# KiCad board Boston-keyboard-V06-1J.kicad_pcb
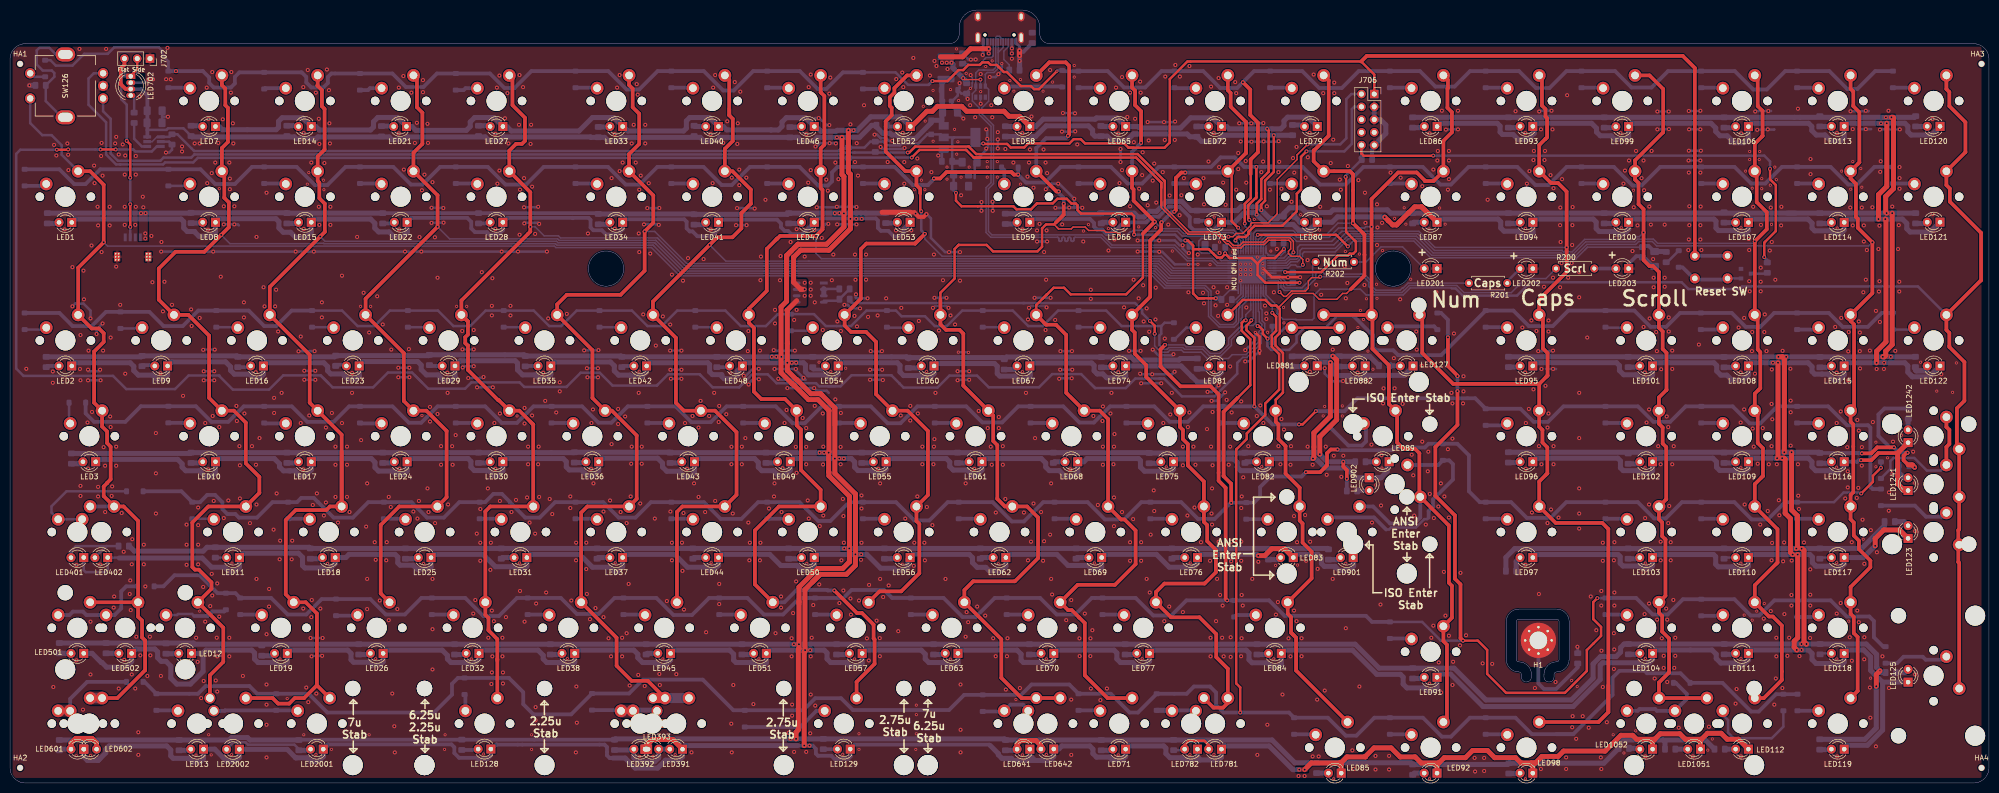
[diagram p0: board, top side]
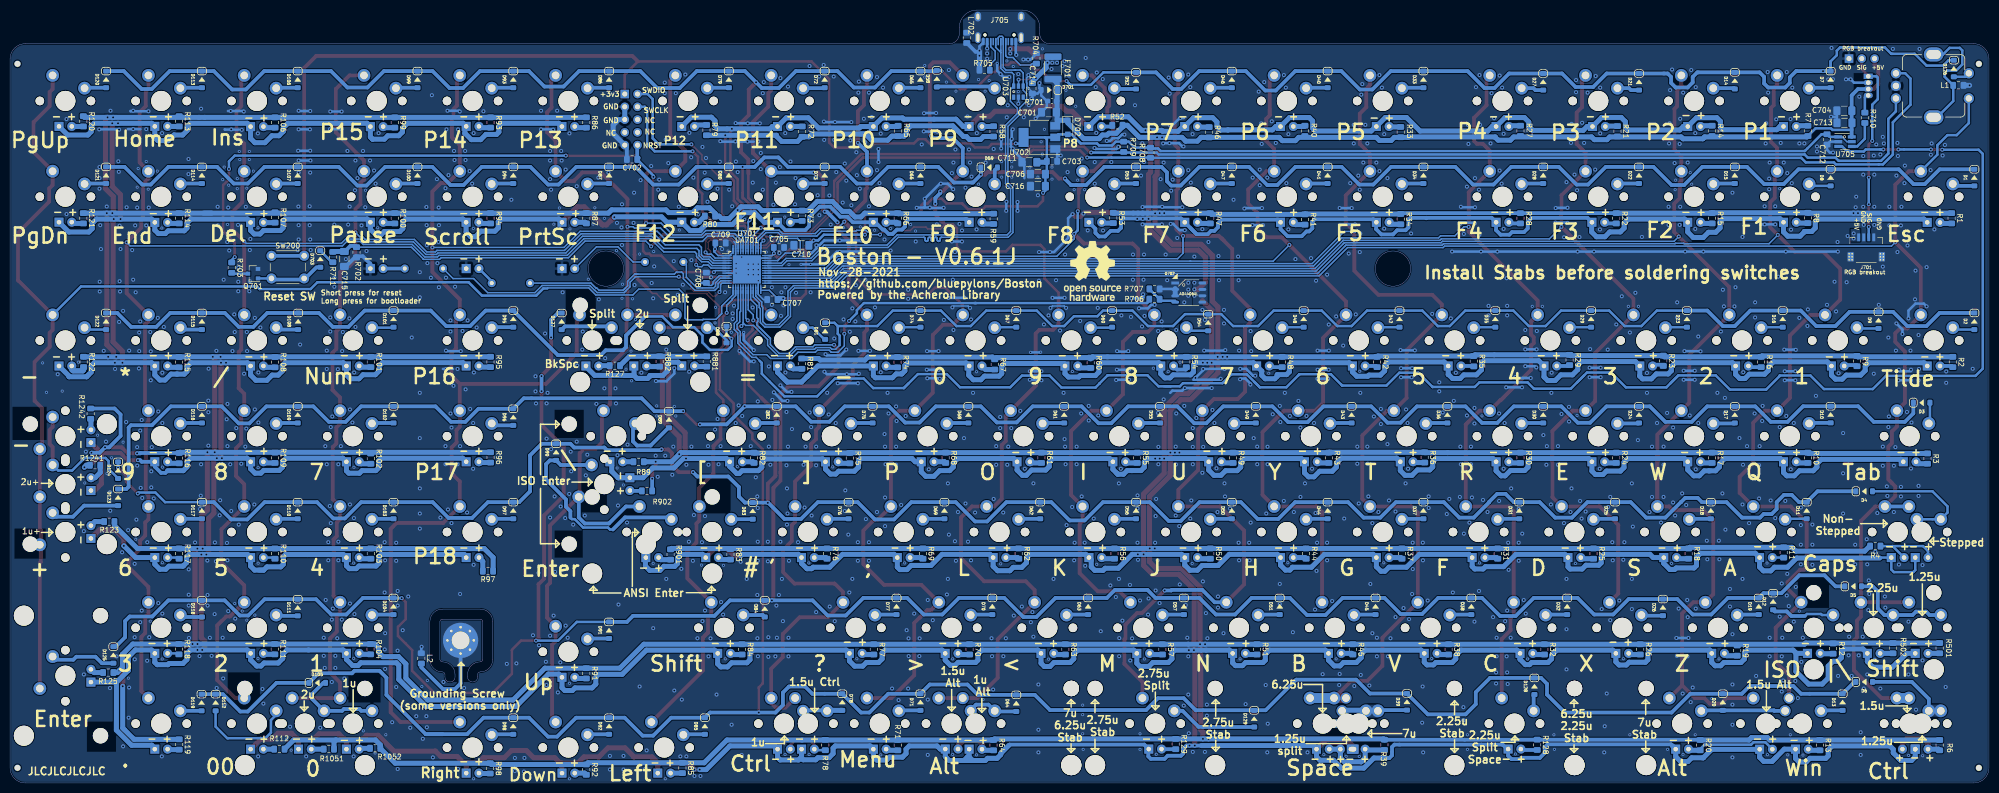
[diagram p1: board, bottom side, seen from below]

Outline 393.48 x 153.7 mm; copper layers: Top, Bottom. Coordinates in mm from the lower left corner of the outline.
Outline path: circle c118.5,102.29 r3.5 ; circle c275,102.29 r3.5 ; 0,144 0,3 arc(0.88,0.88) 3,0 390.48,0 arc(392.6,0.88) 393.48,3 393.48,144 arc(392.6,146.12) 390.48,147 206.74,147 arc(205.32,147.59) 204.74,149 204.74,150.2 arc(203.71,152.67) 201.24,153.7 192.24,153.7 arc(189.76,152.67) 188.74,150.2 188.74,149 arc(188.15,147.59) 186.74,147 3,147 arc(0.88,146.12) 0,144 ; 297.5,32.07 297.5,24.57 arc(298.23,22.81) 300,22.07 arc(300.35,21.93) 300.5,21.57 300.5,21.07 arc(301.5,20.07) 302.5,21.07 302.5,21.57 arc(301.77,23.34) 300,24.07 arc(299.65,24.22) 299.5,24.57 299.5,32.07 arc(299.65,32.43) 300,32.57 307.5,32.57 arc(307.85,32.43) 308,32.07 308,24.57 arc(307.85,24.22) 307.5,24.07 arc(305.73,23.34) 305,21.57 305,21.07 arc(306,20.07) 307,21.07 307,21.57 arc(307.15,21.93) 307.5,22.07 arc(309.27,22.81) 310,24.57 310,32.07 arc(309.27,33.84) 307.5,34.57 300,34.57 arc(298.23,33.84) 297.5,32.07
Stack: Top 0.035mm / dielectric 1.51mm FR4 er 4.5 / Bottom 0.035mm

## Placement (name value [footprint] x y rotation side)
C701  10uF  [C_1206_3216Metric_Pad1.42x1.75mm_HandSolder]  186.9 133.38 0 bottom
C702  100nF  [C_0805_2012Metric_Pad1.15x1.40mm_HandSolder]  269.8 124 0 bottom
C703  100nF  [C_0805_2012Metric_Pad1.15x1.40mm_HandSolder]  186.3 123.62 180 bottom
C704  10uF  [C_1206_3216Metric_Pad1.42x1.75mm_HandSolder]  28.75 133.68 0 bottom
C705  100nF  [C_0805_2012Metric_Pad1.15x1.40mm_HandSolder]  240.6 106.5 180 bottom
C706  10uF  [C_1206_3216Metric_Pad1.42x1.75mm_HandSolder]  189.1 121.08 0 bottom
C707  100nF  [C_0805_2012Metric_Pad1.15x1.40mm_HandSolder]  241.91 96.12 0 bottom
C708  100nF  [C_0805_2012Metric_Pad1.15x1.40mm_HandSolder]  255.03 100.47 90 bottom
C709  100nF  [C_0805_2012Metric_Pad1.15x1.40mm_HandSolder]  252.2 107.38 180 bottom
C710  10uF  [C_1206_3216Metric_Pad1.42x1.75mm_HandSolder]  236.13 106.92 0 bottom
C711  10uF  [C_1206_3216Metric_Pad1.42x1.75mm_HandSolder]  190.8 123.44 0 bottom
C712  100nF  [C_0805_2012Metric_Pad1.15x1.40mm_HandSolder]  32.2 127.97 270 bottom
C713  10uF  [C_1206_3216Metric_Pad1.42x1.75mm_HandSolder]  28.72 131.28 0 bottom
C714  4.7nF  [C_0805_2012Metric_Pad1.15x1.40mm_HandSolder]  190.2 138.12 270 bottom
C715  10uF  [C_1206_3216Metric_Pad1.42x1.75mm_HandSolder]  327 104.2 270 bottom
C716  10uF  [C_1206_3216Metric_Pad1.42x1.75mm_HandSolder]  189.1 118.67 0 bottom
D1  1N4148  [D_SOD-123]  2.9 120.38 270 bottom
D2  1N4148  [D_SOD-123]  2.9 91.81 270 bottom
D3  1N4148  [D_SOD-123]  13.38 75.62 180 bottom
D4  1N4148  [D_SOD-123]  24.81 58 180 bottom
D5  1N4148  [D_SOD-123]  27 39.1 180 bottom
D6  1N4148  [D_SOD-123]  24.8 20.1 180 bottom
D7  1N4148  [D_SOD-123]  31.48 139.91 270 bottom
D8  1N4148  [D_SOD-123]  31.48 120.38 270 bottom
D9  1N4148  [D_SOD-123]  21.95 92.03 270 bottom
D10  1N4148  [D_SOD-123]  31.48 73.26 270 bottom
D11  1N4148  [D_SOD-123]  36.24 54.19 270 bottom
D12  1N4148  [D_SOD-123]  42.91 36.09 270 bottom
D13  1N4148  [D_SOD-123]  29.1 16.09 270 bottom
D14  1N4148  [D_SOD-123]  50.53 139.66 270 bottom
D15  1N4148  [D_SOD-123]  50.53 120.86 270 bottom
D16  1N4148  [D_SOD-123]  41 92.29 270 bottom
D17  1N4148  [D_SOD-123]  50.53 73.24 270 bottom
D18  1N4148  [D_SOD-123]  55.29 54.19 270 bottom
D19  1N4148  [D_SOD-123]  45.77 35.14 270 bottom
D20  1N4148  [D_SOD-123]  52.91 16.09 270 bottom
D21  1N4148  [D_SOD-123]  69.58 139.44 270 bottom
D22  1N4148  [D_SOD-123]  69.58 120.86 270 bottom
D23  1N4148  [D_SOD-123]  60.05 92.29 270 bottom
D24  1N4148  [D_SOD-123]  69.58 73.24 270 bottom
D25  1N4148  [D_SOD-123]  74.34 54.19 270 bottom
D26  1N4148  [D_SOD-123]  64.82 34.91 270 bottom
D27  1N4148  [D_SOD-123]  88.63 139.44 270 bottom
D28  1N4148  [D_SOD-123]  88.63 120.86 270 bottom
D29  1N4148  [D_SOD-123]  79.1 92.29 270 bottom
D30  1N4148  [D_SOD-123]  88.63 73.24 270 bottom
D31  1N4148  [D_SOD-123]  93.39 54.19 270 bottom
D32  1N4148  [D_SOD-123]  83.87 35.14 270 bottom
D33  1N4148  [D_SOD-123]  112.44 139.91 270 bottom
D34  1N4148  [D_SOD-123]  112.44 120.86 270 bottom
D35  1N4148  [D_SOD-123]  98.15 92.29 270 bottom
D36  1N4148  [D_SOD-123]  107.68 73.24 270 bottom
D37  1N4148  [D_SOD-123]  112.44 54.19 270 bottom
D38  1N4148  [D_SOD-123]  102.92 35.14 270 bottom
D39  1N4148  [D_SOD-123]  115.72 16.14 270 bottom
D40  1N4148  [D_SOD-123]  131.49 139.91 270 bottom
D41  1N4148  [D_SOD-123]  131.49 120.86 270 bottom
D42  1N4148  [D_SOD-123]  117.2 92.29 270 bottom
D43  1N4148  [D_SOD-123]  126.73 73.24 270 bottom
D44  1N4148  [D_SOD-123]  131.49 54.19 270 bottom
D45  1N4148  [D_SOD-123]  121.97 35.14 270 bottom
D46  1N4148  [D_SOD-123]  150.54 139.91 270 bottom
D47  1N4148  [D_SOD-123]  150.54 120.86 270 bottom
D48  1N4148  [D_SOD-123]  136.25 92.29 270 bottom
D49  1N4148  [D_SOD-123]  145.78 73.24 270 bottom
D50  1N4148  [D_SOD-123]  150.54 54.19 270 bottom
D51  1N4148  [D_SOD-123]  141.02 35.14 270 bottom
D52  1N4148  [D_SOD-123]  169.59 139.66 270 bottom
D53  1N4148  [D_SOD-123]  169.59 120.86 270 bottom
D54  1N4148  [D_SOD-123]  155.25 91.58 270 bottom
D55  1N4148  [D_SOD-123]  164.83 73.24 270 bottom
D56  1N4148  [D_SOD-123]  169.59 54.19 270 bottom
D57  1N4148  [D_SOD-123]  160.07 35.14 270 bottom
D58  1N4148  [D_SOD-123]  209.2 140.05 270 bottom
D59  1N4148  [D_SOD-123]  198.8 122.4 180 bottom
D60  1N4148  [D_SOD-123]  174.35 92.29 270 bottom
D61  1N4148  [D_SOD-123]  183.88 73.24 270 bottom
D62  1N4148  [D_SOD-123]  188.64 54.19 270 bottom
D63  1N4148  [D_SOD-123]  179.12 35.14 270 bottom
D64  1N4148  [D_SOD-123]  193.4 15.87 270 bottom
D65  1N4148  [D_SOD-123]  212.45 139.91 270 bottom
D66  1N4148  [D_SOD-123]  212.45 120.86 270 bottom
D67  1N4148  [D_SOD-123]  193.4 92.29 270 bottom
D68  1N4148  [D_SOD-123]  202.93 73.24 270 bottom
D69  1N4148  [D_SOD-123]  207.69 54.19 270 bottom
D70  1N4148  [D_SOD-123]  198.17 35.14 270 bottom
D71  1N4148  [D_SOD-123]  212.45 16.09 270 bottom
D72  1N4148  [D_SOD-123]  231.5 139.91 270 bottom
D73  1N4148  [D_SOD-123]  231.5 120.86 270 bottom
D74  1N4148  [D_SOD-123]  212.45 92.29 270 bottom
D75  1N4148  [D_SOD-123]  221.98 73.24 270 bottom
D76  1N4148  [D_SOD-123]  226.74 54.19 270 bottom
D77  1N4148  [D_SOD-123]  217.22 35.14 270 bottom
D78  1N4148  [D_SOD-123]  228 16.09 270 bottom
D79  1N4148  [D_SOD-123]  250.55 139.91 270 bottom
D80  1N4148  [D_SOD-123]  250.55 120.86 270 bottom
D81  1N4148  [D_SOD-123]  231.41 89.86 270 bottom
D82  1N4148  [D_SOD-123]  241.03 73.24 270 bottom
D83  1N4148  [D_SOD-123]  245.8 54.1 270 bottom
D84  1N4148  [D_SOD-123]  243.41 34.66 270 bottom
D85  1N4148  [D_SOD-123]  255.32 11.32 270 bottom
D86  1N4148  [D_SOD-123]  274.37 139.91 270 bottom
D87  1N4148  [D_SOD-123]  274.37 120.86 270 bottom
D88  1N4148  [D_SOD-123]  251.02 89.17 270 bottom
D89  1N4148  [D_SOD-123]  262.46 72.28 270 bottom
D90  1N4148  [D_SOD-123]  284.9 65.8 270 bottom
D91  1N4148  [D_SOD-123]  274.37 30.37 270 bottom
D92  1N4148  [D_SOD-123]  274.37 11.32 270 bottom
D93  1N4148  [D_SOD-123]  293.42 139.91 270 bottom
D94  1N4148  [D_SOD-123]  293.42 120.86 270 bottom
D95  1N4148  [D_SOD-123]  293.42 92.29 270 bottom
D96  1N4148  [D_SOD-123]  293.42 72.76 270 bottom
D97  1N4148  [D_SOD-123]  293.42 54.19 270 bottom
D98  1N4148  [D_SOD-123]  293.42 11.32 270 bottom
D99  1N4148  [D_SOD-123]  312.47 139.91 270 bottom
D100  1N4148  [D_SOD-123]  312.47 120.86 270 bottom
D101  1N4148  [D_SOD-123]  317.23 92.29 270 bottom
D102  1N4148  [D_SOD-123]  317.23 73.24 270 bottom
D103  1N4148  [D_SOD-123]  317.23 54.19 270 bottom
D104  1N4148  [D_SOD-123]  317.23 35.14 270 bottom
D105  1N4148  [D_SOD-123]  332.4 19.9 180 bottom
D106  1N4148  [D_SOD-123]  336.28 139.91 270 bottom
D107  1N4148  [D_SOD-123]  336.28 120.86 270 bottom
D108  1N4148  [D_SOD-123]  336.2 91.81 270 bottom
D109  1N4148  [D_SOD-123]  336.28 73.24 270 bottom
D110  1N4148  [D_SOD-123]  336.28 54.19 270 bottom
D111  1N4148  [D_SOD-123]  336.28 34.88 270 bottom
D112  1N4148  [D_SOD-123]  352.6 16 270 bottom
D113  1N4148  [D_SOD-123]  355.33 139.91 270 bottom
D114  1N4148  [D_SOD-123]  355.33 120.86 270 bottom
D115  1N4148  [D_SOD-123]  355.33 91.81 270 bottom
D116  1N4148  [D_SOD-123]  355.33 73.24 270 bottom
D117  1N4148  [D_SOD-123]  355.33 54.19 270 bottom
D118  1N4148  [D_SOD-123]  355.33 34.66 270 bottom
D119  1N4148  [D_SOD-123]  355.4 16 270 bottom
D120  1N4148  [D_SOD-123]  374.38 139.91 270 bottom
D121  1N4148  [D_SOD-123]  374.38 120.86 270 bottom
D122  1N4148  [D_SOD-123]  374.38 91.81 270 bottom
D123  1N4148  [D_SOD-123]  372 56.8 270 bottom
D124  1N4148  [D_SOD-123]  372 62.2 270 bottom
D125  1N4148  [D_SOD-123]  372.93 25.46 270 bottom
D126  1N4148  [D_SOD-123]  6.98 142.07 270 bottom
D127  1N4148  [D_SOD-123]  283.8 91.8 270 bottom
D128  1N4148  [D_SOD-123]  90.37 19.23 270 bottom
D129  1N4148  [D_SOD-123]  146.1 12.78 270 bottom
D701  RB060M-60TR  [D_SOD-123]  186.8 137.8 0 bottom
D702  1N4007  [D_SOD-123F]  183.15 130.38 270 bottom
D703  1N4148  [D_SOD-123]  331.8 104.2 270 bottom
F701  1.5A Polyfuse  [Fuse_1812_4532Metric_Pad1.30x3.40mm_HandSolder]  186.1 142.2 90 bottom
H1  MountingHole_Pad  [MountingHole_3.5mm_Pad_Via]  303.89 28.35 0 top
HA1  MountingHole  [ToolingHole_1.152mm_(for_JLCPCB_SMT)#2]  2 143 0 top
HA2  MountingHole  [ToolingHole_1.152mm_(for_JLCPCB_SMT)#2]  2 3 0 top
HA3  MountingHole  [ToolingHole_1.152mm_(for_JLCPCB_SMT)]  392 144 0 top
HA4  MountingHole  [ToolingHole_1.152mm_(for_JLCPCB_SMT)#2]  392 3 0 top
J701  Conn_01x04_MountingPin  [SM04B-SRSS-TB(LF)(SN)_mounting-reliefs]  24.4 107.72 180 bottom
J702  Conn_01x03  [PinSocket_1x03_P2.54mm_Vertical]  27.83 144.05 270 top
J705  TYPE-C-31-M12_13  [TYPE-C-31-M-12]  196.74 146.7 0 bottom
J706  Conn_ARM_JTAG_SWD_10  [PinSocket_2x05_P2.54mm_Vertical]  271.25 137 0 top
L1  L_Core_Ferrite  [L_0805_2012Metric_Pad1.15x1.40mm_HandSolder]  6.08 138.72 180 bottom
L2  L_Core_Ferrite  [L_0805_2012Metric_Pad1.15x1.40mm_HandSolder]  311.7 24.78 270 bottom
L702  L_Core_Ferrite  [L_0805_2012Metric_Pad1.15x1.40mm_HandSolder]  203.25 148.18 270 bottom
LED1  LED  [LED_D3.0mm_Clear]  12.27 111.47 180 top
LED2  LED  [LED_D3.0mm_Clear]  12.27 82.92 180 top
LED3  LED  [LED_D3.0mm_Clear]  17.03 63.87 180 top
LED7  LED  [LED_D3.0mm_Clear]  40.84 130.55 180 top
LED8  LED  [LED_D3.0mm_Clear]  40.84 111.5 180 top
LED9  LED  [LED_D3.0mm_Clear]  31.32 82.92 180 top
LED10  LED  [LED_D3.0mm_Clear]  40.84 63.87 180 top
LED11  LED  [LED_D3.0mm_Clear]  45.61 44.82 180 top
LED12  LED  [LED_D3.0mm_Clear]  36.08 25.77 180 top
LED13  LED  [LED_D3.0mm_Clear]  38.46 6.72 180 top
LED14  LED  [LED_D3.0mm_Clear]  59.89 130.55 180 top
LED15  LED  [LED_D3.0mm_Clear]  59.89 111.5 180 top
LED16  LED  [LED_D3.0mm_Clear]  50.37 82.92 180 top
LED17  LED  [LED_D3.0mm_Clear]  59.89 63.87 180 top
LED18  LED  [LED_D3.0mm_Clear]  64.66 44.82 180 top
LED19  LED  [LED_D3.0mm_Clear]  55.13 25.77 180 top
LED21  LED  [LED_D3.0mm_Clear]  78.82 130.55 180 top
LED22  LED  [LED_D3.0mm_Clear]  78.94 111.5 180 top
LED23  LED  [LED_D3.0mm_Clear]  69.42 82.92 180 top
LED24  LED  [LED_D3.0mm_Clear]  78.94 63.87 180 top
LED25  LED  [LED_D3.0mm_Clear]  83.71 44.82 180 top
LED26  LED  [LED_D3.0mm_Clear]  74.18 25.77 180 top
LED27  LED  [LED_D3.0mm_Clear]  98 130.55 180 top
LED28  LED  [LED_D3.0mm_Clear]  98 111.5 180 top
LED29  LED  [LED_D3.0mm_Clear]  88.47 82.92 180 top
LED30  LED  [LED_D3.0mm_Clear]  98 63.87 180 top
LED31  LED  [LED_D3.0mm_Clear]  102.76 44.82 180 top
LED32  LED  [LED_D3.0mm_Clear]  93.23 25.77 180 top
LED33  LED  [LED_D3.0mm_Clear]  121.81 130.55 180 top
LED34  LED  [LED_D3.0mm_Clear]  121.81 111.5 180 top
LED35  LED  [LED_D3.0mm_Clear]  107.52 82.92 180 top
LED36  LED  [LED_D3.0mm_Clear]  117.04 63.87 180 top
LED37  LED  [LED_D3.0mm_Clear]  121.81 44.82 180 top
LED38  LED  [LED_D3.0mm_Clear]  112.28 25.77 180 top
LED40  LED  [LED_D3.0mm_Clear]  140.86 130.55 180 top
LED41  LED  [LED_D3.0mm_Clear]  140.86 111.5 180 top
LED42  LED  [LED_D3.0mm_Clear]  126.57 82.92 180 top
LED43  LED  [LED_D3.0mm_Clear]  136.09 63.87 180 top
LED44  LED  [LED_D3.0mm_Clear]  140.86 44.82 180 top
LED45  LED  [LED_D3.0mm_Clear]  131.33 25.77 180 top
LED46  LED  [LED_D3.0mm_Clear]  159.91 130.55 180 top
LED47  LED  [LED_D3.0mm_Clear]  159.91 111.5 180 top
LED48  LED  [LED_D3.0mm_Clear]  145.62 82.92 180 top
LED49  LED  [LED_D3.0mm_Clear]  155.15 63.87 180 top
LED50  LED  [LED_D3.0mm_Clear]  159.91 44.82 180 top
LED51  LED  [LED_D3.0mm_Clear]  150.38 25.77 180 top
LED52  LED  [LED_D3.0mm_Clear]  179 130.55 180 top
LED53  LED  [LED_D3.0mm_Clear]  178.96 111.5 180 top
LED54  LED  [LED_D3.0mm_Clear]  164.67 82.92 180 top
LED55  LED  [LED_D3.0mm_Clear]  174.19 63.87 180 top
LED56  LED  [LED_D3.0mm_Clear]  178.96 44.82 180 top
LED57  LED  [LED_D3.0mm_Clear]  169.43 25.77 180 top
LED58  LED  [LED_D3.0mm_Clear]  202.77 130.55 180 top
LED59  LED  [LED_D3.0mm_Clear]  202.77 111.5 180 top
LED60  LED  [LED_D3.0mm_Clear]  183.72 82.92 180 top
LED61  LED  [LED_D3.0mm_Clear]  193.25 63.87 180 top
LED62  LED  [LED_D3.0mm_Clear]  198.01 44.82 180 top
LED63  LED  [LED_D3.0mm_Clear]  188.48 25.77 180 top
LED65  LED  [LED_D3.0mm_Clear]  221.82 130.55 180 top
LED66  LED  [LED_D3.0mm_Clear]  221.82 111.5 180 top
LED67  LED  [LED_D3.0mm_Clear]  202.77 82.92 180 top
LED68  LED  [LED_D3.0mm_Clear]  212.3 63.87 180 top
LED69  LED  [LED_D3.0mm_Clear]  217.06 44.82 180 top
LED70  LED  [LED_D3.0mm_Clear]  207.53 25.77 180 top
LED71  LED  [LED_D3.0mm_Clear]  221.82 6.72 180 top
LED72  LED  [LED_D3.0mm_Clear]  240.87 130.55 180 top
LED73  LED  [LED_D3.0mm_Clear]  240.87 111.5 180 top
LED74  LED  [LED_D3.0mm_Clear]  221.82 82.92 180 top
LED75  LED  [LED_D3.0mm_Clear]  231.35 63.87 180 top
LED76  LED  [LED_D3.0mm_Clear]  236.11 44.82 180 top
LED77  LED  [LED_D3.0mm_Clear]  226.58 25.77 180 top
LED79  LED  [LED_D3.0mm_Clear]  259.92 130.55 180 top
LED80  LED  [LED_D3.0mm_Clear]  259.92 111.5 180 top
LED81  LED  [LED_D3.0mm_Clear]  240.87 82.92 180 top
LED82  LED  [LED_D3.0mm_Clear]  250.39 63.87 180 top
LED83  LED  [LED_D3.0mm_Clear]  255.16 44.82 180 top
LED84  LED  [LED_D3.0mm_Clear]  252.78 25.77 180 top
LED85  LED  [LED_D3.0mm_Clear]  264.68 1.96 180 top
LED86  LED  [LED_D3.0mm_Clear]  283.75 130.55 180 top
LED87  LED  [LED_D3.0mm_Clear]  283.73 111.5 180 top
LED89  LED  [LED_D3.0mm_Clear]  274.21 63.87 180 top
LED91  LED  [LED_D3.0mm_Clear]  283.73 21.01 180 top
LED92  LED  [LED_D3.0mm_Clear]  283.73 1.96 180 top
LED93  LED  [LED_D3.0mm_Clear]  302.78 130.57 180 top
LED94  LED  [LED_D3.0mm_Clear]  302.8 111.5 180 top
LED95  LED  [LED_D3.0mm_Clear]  302.78 82.92 180 top
LED96  LED  [LED_D3.0mm_Clear]  302.78 63.87 180 top
LED97  LED  [LED_D3.0mm_Clear]  302.78 44.82 180 top
LED98  LED  [LED_D3.0mm_Clear]  302.78 1.96 180 top
LED99  LED  [LED_D3.0mm_Clear]  321.83 130.52 180 top
LED100  LED  [LED_D3.0mm_Clear]  321.83 111.5 180 top
LED101  LED  [LED_D3.0mm_Clear]  326.6 82.92 180 top
LED102  LED  [LED_D3.0mm_Clear]  326.6 63.87 180 top
LED103  LED  [LED_D3.0mm_Clear]  326.6 44.82 180 top
LED104  LED  [LED_D3.0mm_Clear]  326.6 25.77 180 top
LED106  LED  [LED_D3.0mm_Clear]  345.64 130.52 180 top
LED107  LED  [LED_D3.0mm_Clear]  345.64 111.47 180 top
LED108  LED  [LED_D3.0mm_Clear]  345.64 82.92 180 top
LED109  LED  [LED_D3.0mm_Clear]  345.64 63.87 180 top
LED110  LED  [LED_D3.0mm_Clear]  345.64 44.82 180 top
LED111  LED  [LED_D3.0mm_Clear]  345.64 25.77 180 top
LED112  LED  [LED_D3.0mm_Clear]  345.64 6.72 180 top
LED113  LED  [LED_D3.0mm_Clear]  364.69 130.57 180 top
LED114  LED  [LED_D3.0mm_Clear]  364.69 111.47 180 top
LED115  LED  [LED_D3.0mm_Clear]  364.69 82.92 180 top
LED116  LED  [LED_D3.0mm_Clear]  364.69 63.87 180 top
LED117  LED  [LED_D3.0mm_Clear]  364.69 44.82 180 top
LED118  LED  [LED_D3.0mm_Clear]  364.69 25.77 180 top
LED119  LED  [LED_D3.0mm_Clear]  364.69 6.72 180 top
LED120  LED  [LED_D3.0mm_Clear]  383.75 130.57 180 top
LED121  LED  [LED_D3.0mm_Clear]  383.75 111.52 180 top
LED122  LED  [LED_D3.0mm_Clear]  383.75 82.92 180 top
LED123  LED  [LED_D3.0mm_Clear]  377.39 48.63 90 top
LED125  LED  [LED_D3.0mm_Clear]  377.39 20.06 90 top
LED127  LED  [LED_D3.0mm_Clear]  278.97 82.92 180 top
LED128  LED  [LED_D3.0mm_Clear]  95.61 6.74 180 top
LED129  LED  [LED_D3.0mm_Clear]  167.06 6.74 180 top
LED201  LED  [LED_D3.0mm_Clear]  283.73 102.29 180 top
LED202  LED  [LED_D3.0mm_Clear]  302.78 102.29 180 top
LED203  LED  [LED_D3.0mm_Clear]  321.83 102.29 180 top
LED391  LED  [LED_D3.0mm_Clear]  133.71 6.72 180 top
LED392  LED  [LED_D3.0mm_Clear#2]  126.57 6.72 180 top
LED393  LED  [LED_D3.0mm_Clear#3]  126.42 6.72 0 top
LED401  LED  [LED_D3.0mm_Clear]  14.65 44.82 180 top
LED402  LED  [LED_D3.0mm_Clear]  19.41 44.82 180 top
LED501  LED  [LED_D3.0mm_Clear]  14.65 25.77 180 top
LED502  LED  [LED_D3.0mm_Clear]  24.18 25.77 180 top
LED601  LED  [LED_D3.0mm_Clear]  14.66 6.72 180 top
LED602  LED  [LED_D3.0mm_Clear]  14.66 6.72 0 top
LED641  LED  [LED_D3.0mm_Clear]  202.77 6.72 180 top
LED642  LED  [LED_D3.0mm_Clear]  207.52 6.75 180 top
LED702  NeoPixel_THT  [LED_D5.0mm-4_RGB]  24 140.53 270 top
LED781  LED  [LED_D3.0mm_Clear]  240.87 6.72 180 top
LED782  LED  [LED_D3.0mm_Clear]  236.09 6.72 180 top
LED881  LED  [LED_D3.0mm_Clear]  259.92 82.94 180 top
LED882  LED  [LED_D3.0mm_Clear]  269.44 82.92 180 top
LED901  LED  [LED_D3.0mm_Clear]  267.06 44.82 180 top
LED902  LED  [LED_D3.0mm_Clear]  270.24 60.69 270 top
LED1051  LED  [LED_D3.0mm_Clear]  336.12 6.72 180 top
LED1052  LED  [LED_D3.0mm_Clear]  326.6 6.72 180 top
LED1241  LED  [LED_D3.0mm_Clear]  377.39 58.16 90 top
LED1242  LED  [LED_D3.0mm_Clear]  377.39 67.68 90 top
LED2001  LED  [LED_D3.0mm_Clear]  62.28 6.72 180 top
LED2002  LED  [LED_D3.0mm_Clear]  45.59 6.69 180 top
LOGO2  Logo_Open_Hardware_Large  [OSHW-Logo_11.4x12mm_SilkScreen]  178.25 101.83 180 bottom
Q701  DTC123J  [SOT-23]  345.18 101.28 0 bottom
Q702  AO4406AL  [SOIC-8]  159.1 97.51 180 bottom
R1  1K  [R_0805_2012Metric_Pad1.15x1.40mm_HandSolder]  7.43 112.29 270 bottom
R2  1K  [R_0805_2012Metric_Pad1.15x1.40mm_HandSolder]  7.19 83.71 270 bottom
R3  1K  [R_0805_2012Metric_Pad1.15x1.40mm_HandSolder]  12.22 64.5 270 bottom
R4  1K  [R_0805_2012Metric_Pad1.15x1.40mm_HandSolder]  22.6 47.1 180 bottom
R6  1K  [R_0805_2012Metric_Pad1.15x1.40mm_HandSolder]  9.81 7.51 270 bottom
R7  1K  [R_0805_2012Metric_Pad1.15x1.40mm_HandSolder]  36 129.67 90 bottom
R8  1K  [R_0805_2012Metric_Pad1.15x1.40mm_HandSolder]  36 112.36 270 bottom
R9  1K  [R_0805_2012Metric_Pad1.15x1.40mm_HandSolder]  26.24 83.9 270 bottom
R10  1K  [R_0805_2012Metric_Pad1.15x1.40mm_HandSolder]  36 64.66 270 bottom
R11  1K  [R_0805_2012Metric_Pad1.15x1.40mm_HandSolder]  40.82 45.84 270 bottom
R12  1K  [R_0805_2012Metric_Pad1.15x1.40mm_HandSolder]  31 26.72 270 bottom
R13  1K  [R_0805_2012Metric_Pad1.15x1.40mm_HandSolder]  33.62 7.51 270 bottom
R14  1K  [R_0805_2012Metric_Pad1.15x1.40mm_HandSolder]  55.05 129.67 90 bottom
R15  1K  [R_0805_2012Metric_Pad1.15x1.40mm_HandSolder]  55.05 112.29 270 bottom
R16  1K  [R_0805_2012Metric_Pad1.15x1.40mm_HandSolder]  45.29 83.71 270 bottom
R17  1K  [R_0805_2012Metric_Pad1.15x1.40mm_HandSolder]  55.05 64.66 270 bottom
R18  1K  [R_0805_2012Metric_Pad1.15x1.40mm_HandSolder]  59.72 45.61 270 bottom
R19  1K  [R_0805_2012Metric_Pad1.15x1.40mm_HandSolder]  50.05 26.33 270 bottom
R20  1K  [R_0805_2012Metric_Pad1.15x1.40mm_HandSolder]  57.43 7.51 270 bottom
R21  1K  [R_0805_2012Metric_Pad1.15x1.40mm_HandSolder]  73.87 129.6 90 bottom
R22  1K  [R_0805_2012Metric_Pad1.15x1.40mm_HandSolder]  74.1 112.29 270 bottom
R23  1K  [R_0805_2012Metric_Pad1.15x1.40mm_HandSolder]  64.75 83.95 270 bottom
R24  1K  [R_0805_2012Metric_Pad1.15x1.40mm_HandSolder]  74.1 64.66 270 bottom
R25  1K  [R_0805_2012Metric_Pad1.15x1.40mm_HandSolder]  78.63 45.61 270 bottom
R26  1K  [R_0805_2012Metric_Pad1.15x1.40mm_HandSolder]  69.34 26.56 270 bottom
R27  1K  [R_0805_2012Metric_Pad1.15x1.40mm_HandSolder]  93.15 129.67 90 bottom
R28  1K  [R_0805_2012Metric_Pad1.15x1.40mm_HandSolder]  93.15 112.29 270 bottom
R29  1K  [R_0805_2012Metric_Pad1.15x1.40mm_HandSolder]  83.39 84.12 270 bottom
R30  1K  [R_0805_2012Metric_Pad1.15x1.40mm_HandSolder]  93.15 64.66 270 bottom
R31  1K  [R_0805_2012Metric_Pad1.15x1.40mm_HandSolder]  97.68 45.61 270 bottom
R32  1K  [R_0805_2012Metric_Pad1.15x1.40mm_HandSolder]  88.39 26.56 270 bottom
R33  1K  [R_0805_2012Metric_Pad1.15x1.40mm_HandSolder]  116.97 129.43 90 bottom
R34  1K  [R_0805_2012Metric_Pad1.15x1.40mm_HandSolder]  116.97 112.12 270 bottom
R35  1K  [R_0805_2012Metric_Pad1.15x1.40mm_HandSolder]  102.44 83.87 270 bottom
R36  1K  [R_0805_2012Metric_Pad1.15x1.40mm_HandSolder]  112.2 64.74 270 bottom
R37  1K  [R_0805_2012Metric_Pad1.15x1.40mm_HandSolder]  116.73 45.61 270 bottom
R38  1K  [R_0805_2012Metric_Pad1.15x1.40mm_HandSolder]  107.44 26.56 270 bottom
R39  1K  [R_0805_2012Metric_Pad1.15x1.40mm_HandSolder]  120.2 7.57 270 bottom
R40  1K  [R_0805_2012Metric_Pad1.15x1.40mm_HandSolder]  136.02 129.67 90 bottom
R41  1K  [R_0805_2012Metric_Pad1.15x1.40mm_HandSolder]  136.02 112.05 270 bottom
R42  1K  [R_0805_2012Metric_Pad1.15x1.40mm_HandSolder]  121.65 83.71 270 bottom
R43  1K  [R_0805_2012Metric_Pad1.15x1.40mm_HandSolder]  131.25 64.66 270 bottom
R44  1K  [R_0805_2012Metric_Pad1.15x1.40mm_HandSolder]  135.78 45.61 270 bottom
R45  1K  [R_0805_2012Metric_Pad1.15x1.40mm_HandSolder]  126.49 26.56 270 bottom
R46  1K  [R_0805_2012Metric_Pad1.15x1.40mm_HandSolder]  155.06 129.4 90 bottom
R47  1K  [R_0805_2012Metric_Pad1.15x1.40mm_HandSolder]  154.83 112.29 270 bottom
R48  1K  [R_0805_2012Metric_Pad1.15x1.40mm_HandSolder]  140.54 83.71 270 bottom
R49  1K  [R_0805_2012Metric_Pad1.15x1.40mm_HandSolder]  150.3 64.66 270 bottom
R50  1K  [R_0805_2012Metric_Pad1.15x1.40mm_HandSolder]  154.83 45.61 270 bottom